# Altium PCB A-Eye.PcbDoc (continued)
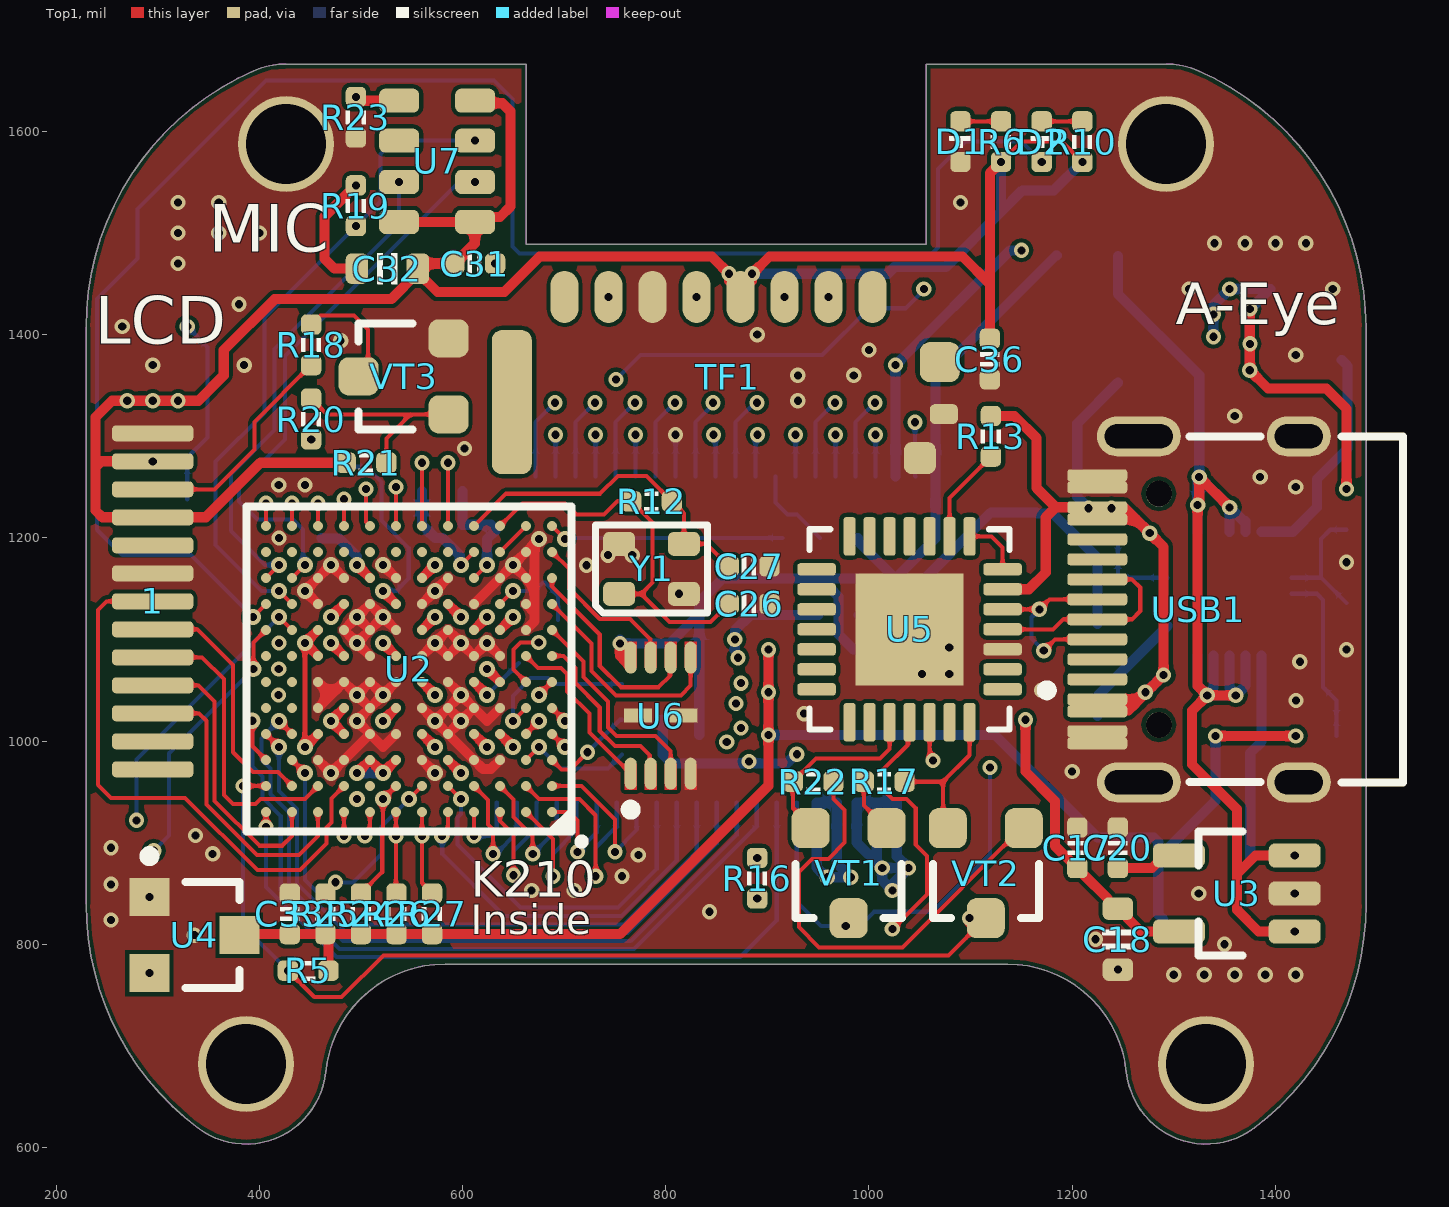
[diagram p0: Top1 view]
## Footprints (in the part's own frame and the unit in brackets; to place one, negate y for a bottom-side part, rotate by r counter-clockwise, add the part's x,y. Pads: shape width x height; smd on the part's side, far side on the other; paste and mask are expansions set on the pad) (continued)
  oct 0.8x0.24 smd: 1(-1.55,0.8) 2(-1.55,0.4) 3(-1.55,0) 4(-1.55,-0.4) 5(-1.55,-0.8) 11(1.55,-0.8) 12(1.55,-0.4) 13(1.55,0) 14(1.55,0.4) 15(1.55,0.8)
  oct 0.24x0.8 smd: 6(-0.8,-1.55) 7(-0.4,-1.55) 8(0,-1.55) 9(0.4,-1.55) 10(0.8,-1.55) 16(0.8,1.55) 17(0.4,1.55) 18(0,1.55) 19(-0.4,1.55) 20(-0.8,1.55)
  rect 1.5x1.5 smd: 21(0,0)
  silkscreen extent -2.48,-1.7 1.7,1.7, body extent -1.56,-1.56 1.56,1.56, height 0.8
QFN-28 [mil]
  rrect50% 38x12 smd mask+5: 1(-91.5,59.06) 2(-91.5,39.37) 3(-91.5,19.68) 4(-91.5,0) 5(-91.5,-19.69) 6(-91.5,-39.37) 7(-91.5,-59.06) 15(91.5,-59.06) 16(91.5,-39.37) 17(91.5,-19.69) 18(91.5,0) 19(91.5,19.68) 20(91.5,39.37) 21(91.5,59.06)
  rrect50% 12x38 smd mask+5: 8(-59.06,-91.5) 9(-39.37,-91.5) 10(-19.69,-91.5) 11(0,-91.5) 12(19.68,-91.5) 13(39.37,-91.5) 14(59.06,-91.5) 22(59.06,91.5) 23(39.37,91.5) 24(19.68,91.5) 25(0,91.5) 26(-19.69,91.5) 27(-39.37,91.5) 28(-59.06,91.5)
  rect 106.3x110.24 smd: 29(0,0)
  silkscreen extent -140,-99 99,99, body extent -99,-99 98,98, height 35
RES_0402 [mil]
  rrect50% 20x20 smd: 1(-20,0) 2(20,0)
  silkscreen extent -7,-10 7,10, body extent -20,-10 20,10, height 14
SMT_TRIODE_NPN [mm] "Surface mount NPN transistor, package SOT-23"
  rrect50% 0.95x1 smd: 1(-0.95,-1.125) 2(0.95,-1.125) 3(0,1.125)
  silkscreen extent -1.33,-0.22 1.32,1.13, body extent -1.45,-1.4 1.45,1.4, height 1.3
SOD-123 [mm]
  rrect50% 0.9x1.3 smd: 1(-1.583,0) 2(1.583,0)
  silkscreen extent -2.11,-0.89 2.11,0.89, body extent -1.92,-0.86 1.93,0.84, height 1.48
SOT23-3 [mm] "SOT-23; 3 Leads; Body 3.0 x 2.5 mm, inc. leads (LxW max)"
  rect 0.95x1 smd: 1(-0.95,-1.125) 2(0.95,-1.125) 3(0,1.125)
  silkscreen extent -2.1,-1.25 1.32,1.13, body extent -1.45,-1.4 1.45,1.4, height 1.3
SOT23-5 [mm] "SOT23, 3-Leads, Body 3.1x3.0mm (max), Pitch 0.95mm, IPC Medium Density"
  rrect50% 1.3x0.6 smd: 1(-1.5,0.95) 2(-1.5,0) 3(-1.5,-0.95) 4(1.396,-0.95) 5(1.396,0.95)
  silkscreen extent -0.2,-1.55 0.9,1.55, body extent -1.48,-1.45 1.32,1.45, height 1.2
"TF-SOCKET - short" [mm]
  oval 1.3x0.7 smd: 1(-3.231,3.518) 2(-3.231,2.418) 3(-3.231,1.318) 4(-3.231,0.218) 5(-3.231,-0.882) 6(-3.231,-1.982) 7(-3.231,-3.082) 8(-3.231,-4.182)
  rrect50% 0.8x0.8 smd: 9(0.8,4.7)
  rrect50% 0.5x0.7 smd: 10(-0.3,5.3)
  rrect50% 1x1 smd: ""(-1.6,5.2)
  rrect50% 3.6x1 smd: ""(-0.6,-5.5)
  body extent -4.51,-5.74 0.94,5.66, height 2.27
Type-C-TOP [mm]
  round 0.65 hole 0.65: 0(-0.98,-2.89) 0(-0.98,2.89)
  oval 1.6x1 hole 0.6 slot 1.2 at 0 deg: 1(2.52,4.325) 2(2.52,-4.325)
  oval 2.1x1 hole 0.6 slot 1.7 at 0 deg: 3(-1.48,-4.325) 4(-1.48,4.325)
  rrect50% 1.5x0.3 smd: A1(-2.52,-3.35) A4(-2.52,-2.55) A5(-2.52,-1.25) A6(-2.52,-0.25) A7(-2.52,0.25) A8(-2.52,1.25) A9(-2.52,2.55) A12(-2.52,3.35) B1(-2.52,3.05) B4(-2.52,2.25) B5(-2.52,1.75) B6(-2.52,0.75) B7(-2.52,-0.75) B8(-2.52,-1.75) B9(-2.52,-2.25) B12(-2.52,-3.05)
  silkscreen extent -0.22,-4.33 5.12,4.33, body extent -2.64,-4.48 5.26,4.46, height 3.28
USON-8N [mm]
  oval 0.8x0.3 smd paste+0 mask+0.102: 1(-1.45,0.75) 2(-1.45,0.25) 3(-1.45,-0.25) 4(-1.45,-0.75) 5(1.45,-0.75) 6(1.45,-0.25) 7(1.45,0.25) 8(1.45,0.75)
  rect 0.35x0.7 smd paste+0 mask+0.102: GNDA(0,0.57) GNDB(0,-0.57)
  Top1 region: 1.2,-0.6 1.2,-0.9 1.85,-0.9 1.85,-0.6
  Top1 region: 1.2,-0.1 1.2,-0.4 1.85,-0.4 1.85,-0.1
  Top1 region: 1.2,0.4 1.2,0.1 1.85,0.1 1.85,0.4
  Top1 region: 1.2,0.9 1.2,0.6 1.85,0.6 1.85,0.9
  Top1 region: -1.2,-0.9 -1.2,-0.6 -1.85,-0.6 -1.85,-0.9
  Top1 region: -1.2,-0.4 -1.2,-0.1 -1.85,-0.1 -1.85,-0.4
  Top1 region: -1.2,0.1 -1.2,0.4 -1.85,0.4 -1.85,0.1
  Top1 region: -1.2,0.6 -1.2,0.9 -1.85,0.9 -1.85,0.6
  silkscreen extent -2.47,0.63 -2.23,0.87, body extent -1.51,-1 1.51,1, height 0.6
晶振2520 [mm]
  rrect50% 0.8x0.6 smd: 1(-0.81,-0.625) 2(0.81,-0.625) 3(0.81,0.625) 4(-0.81,0.625)
  silkscreen extent -1.4,-1.1 1.4,1.1, body extent -1.3,-1.05 1.3,1.05, height 0.55

## Part data
1: "显示屏"
C1 C3 C15 C18 C23 C32: library part 电容-0603, "Capacitor"
C2 C4 C5 C6 C7 C8 C9 C10 C11 C12 C13 C14 C16 C17 C19 C20 C21 C22 C24 C25 C26 C27 C28 C29 C30 C31 C33 C34 C35 C36 C37 C38: library part 电容-0402, "Capacitor"
D1 D2: library part LED_0402, "LED", Type=0402
D3: library part 二极管-5, "40V"
J1 J2 J3: "Resistor", LatestRevisionDate=17-Jul-2002, LatestRevisionNote="Re-released for DXP Platform.", PackageDescription="Axial Device, Thru-Hole; 2 Leads; 0.4 in Pin Spacing", PackageReference=AXIAL-0.4, Published=8-Jun-2000, Publisher="Altium Limited"
J4: library part FPC24-0.5mm, "Header, 24-Pin", LatestRevisionDate=17-Jul-2002, LatestRevisionNote="Re-released for DXP Platform.", Publisher="Altium Limited"
J5: library part OV2640, "Header, 24-Pin", LatestRevisionDate=17-Jul-2002, LatestRevisionNote="Re-released for DXP Platform.", Publisher="Altium Limited"
K1: library part ButtonTACT, "Button", Type="TACT 4P"
L1 L2 L3: library part 电感-25, "磁珠"
R1 R2 R3 R4 R5 R6 R7 R8 R9 R10 R11 R12 R13 R14 R15 R16 R17 R18 R19 R20 R21 R22 R23 R24 R25 R26 R27 R28 R29 R30 R31: library part 电阻-0402, "Resistor"
TF1: library part TF卡?, "8脚自弹"
U1: "EA3036 is a 3CH power management IC for applications powered by one Li-Ion battery or a DC 5V adapter."
U2: "Canaan Kendryte K210 AI SoC", VENDOR="CANAAN INC."
U3: library part LP2992, "LDO"
U4: library part SGM803, "SGM803/SGM809/SGM810 / Microprocessor Supervisory / Circuit"
U5: "USBתTTL", MFG #1="SILICON LABS", PART DESC="SINGLE-CHIP USB TO UART BRIDGE, QFN28, RoHS.", PART NUMBER=CP2102, RefDes=RefDes, Type=DEV
U6: library part W25XXX, "Serial flash memory with 4kB sectors and dual I/O SPI"
USB1: library part USB-Type-C-TOP
VT1 VT2 VT3: library part SMT_TRIODE_NPN, "Surface mount NPN transistor, package SOT-23"
Y1: library part 晶振-4, "2520无源", Package="SMD-6 ECS International", Availability=Unavailable, MF="ECS International", MP=ECS-3225S30-240-EN-TR, Price="0.75 USD"

## Free pads (board coordinates)
  round 94.49 hole 78.74: ""(386.9,682.09) ""(426.27,1587.61) ""(1292.41,1587.61) ""(1331.78,682.09)

## Via types
v1: diameter 15, hole 8, Top1 to Bottom4, tented both sides, 192 vias
v2: diameter 16, hole 8, Top1 to Bottom4, tented both sides, 67 vias

## Nets (pads, with @x,y where several pads share a name; then routed paths per layer and width w, separated by ;. In a path a pad name is that pad's centre, name@x,y a point inside that pad or via, vN(x,y) a via of type N, cw(c..) or ccw(c..) an arc to the next point about the centre after c; other vN are vias at no path point)
AGND: C34.1 C37.1 C38.1 J5.2 R30.1 | length 511.8
  Bottom4 w10: C37.1 989,1197 1026,1160 ; C38.1 R30.1 1026,1160 ; C34.1@1185,1478 1184,1478 1065.53,1359.53 J5.2 1065.53,1199.53 1026,1160
BOOT: R5.1 U2.B12 VT2.3 | length 945.9
  Top1 w4: v1(384,955.87) U2.B12 ; v1(428,774) 454,748 481,748 522,789 1078.29,789 1099,809.71 v1(1099,825.71)
  Bottom4 w4: v1(384,955.87) 384,818 v1(428,774)
CP_Rx: U2.H12 U5.25 | length 1291.3
  Top1 w4: v2(394,1071) 394,1096.95 U2.H12 ; v1(1023,815) 1057,849 1057,887 1046,898 1046,934 1037,943 1023,943 1015,951 1015,973 1038.39,996.39 1038.39,1016.89 U5.25
  Signal3 w4: v1(296,892) 373,815 920,815 939,834 1004,834 v1(1023,815)
  Bottom4 w4: v1(296,892) 311,907 311,988 v2(394,1071)
CP_Tx: R16.1 U2.H11 | length 952.4
  Top1 w4: v2(419.25,1122.21) U2.H11
  Signal3 w4: v1(279,922) 289,912 302,912 389,825 806,825 866,885 v1(890,885)
  Bottom4 w4: v1(279,922) 279,981.95 v2(419.25,1122.21)
DTR: R17.1 U5.28 VT2.2 | length 154.9
  Top1 w4: R17.1 1073,960 ; VT2.2 1073,918.89 1073,960 ; U5.28 1099.06,986.06 1073,960
DVP_HSYNC: J5.9 U2.F1 | length 420.8
  Top1 w4: v2(675.16,1045.43) U2.F1
  Signal3 w4: v2(675.16,1045.43) 677.06,1045.43 927.73,1296.1 v1(927.73,1301.51)
  Bottom4 w4: J5.9 v1(927.73,1301.51)
DVP_PCLK: C35.1 J5.17 U2.E2 | length 701.2
  Top1 w4: v2(649.57,1019.84) U2.E2
  Signal3 w4: v2@649,1020.41 v2(649.57,1019.84) 649.57,1044.57 694,1089 709.31,1089 845,1224.69 845,1240 869,1264 869,1311 862,1318 786.74,1318 v1(770.25,1301.51)
  Bottom4 w4: v2(649.57,1019.84) 649.57,1044.57 667,1062 684,1062 690,1056 C35.1 ; J5.17 v1(770.25,1301.51)
DVP_PWDN: J5.8 U2.D2 | length 568.5
  Top1 w4: U2.D2 v2(675.16,1019.84)
  Signal3 w4: v2(675.16,1019.84) 693.31,1038 738.06,1038 778,1077.94 778,1134 915,1271 932,1271 946,1285 946,1312.41 v1(966.59,1333)
  Bottom4 w4: J5.8 947.42,1313.83 v1(966.59,1333)
DVP_RST: J5.6 U2.D1 | length 573.1
  Top1 w4: U2.D1 v2(700.75,994.25)
  Signal3 w4: v2(700.75,994.25) 702.25,994.25 716,1008 730.69,1008 795,1072.31 795,1083.53 986,1274.53 986,1313.04 v1(1005.96,1333)
  Bottom4 w4: J5.6 986.79,1313.83 v1(1005.96,1333)
DVP_SCL: J5.5 R29.1 U2.C1 | length 564.1
  Top1 w4: U2.C1 697.41,972 706,972 v1(723,989)
  Signal3 w4: v1(723,989) 803,1069 803,1080.22 1006.47,1283.69 v1(1006.47,1301.51)
  Bottom4 w4: v1(723,989) 755,1021 R29.1 ; J5.5 v1(1006.47,1301.51)
DVP_SDA: J5.3 R31.1 U2.C2 | length 708.5
  Top1 w4: U2.C2 v2(675.16,994.25)
  Signal3 w4: v2(675.16,994.25) 699.41,970 732,970 811,1049 811,1076.9 1045.33,1311.23 v1(1045.33,1313.83)
  Bottom4 w4: v2(675.16,994.25) 696.41,973 743,973 R31.1 ; v1(1045.33,1313.83) 1045.33,1261.1 J5.3
DVP_VSYNC: J5.7 U2.E1 | length 468.9
  Top1 w4: U2.E1 v2(700.75,1019.84)
  Signal3 w4: v2(700.75,1019.84) 731.21,1019.84 787,1075.63 787,1086.84 967.1,1266.94 v1(967.1,1301.51)
  Bottom4 w4: J5.7 v1(967.1,1301.51)
DVP_XCLK: J5.13 U2.F2 | length 400.5
  Top1 w4: U2.F2 650,1070.59 650,1090 657,1097 v1(675,1097)
  Signal3 w4: v1(675,1097) 706,1097 823,1214 823,1275.52 v1@848.99,1301.51
  Bottom4 w4: J5.13 v1@848.99,1301.51
  other v1: 846.99,1301.51
DVP_Y2: J5.19 U2.M12 | length 441.2
  Top1 w4: U2.M12 v1(406.46,1234)
  Signal3 w4: v1(406.46,1234) 437.46,1203 619,1203 717.51,1301.51 v1(730.88,1301.51)
  Bottom4 w4: J5.19 v1(730.88,1301.51)
DVP_Y3: J5.21 U2.M11 | length 370
  Top1 w4: U2.M11 v1(432.05,1234)
  Signal3 w4: v1(432.05,1234) 455.05,1211 601.63,1211 691.51,1300.88 v1(691.51,1301.51)
  Bottom4 w4: J5.21 v1(691.51,1301.51)
DVP_Y4: J5.22 U2.M10 | length 414.8
  Top1 w4: U2.M10 v1(457.64,1234)
  Signal3 w4: v1(457.64,1234) 472.64,1219 598.31,1219 648.51,1269.19 648.51,1312.51 669,1333 v1(691,1333)
  Bottom4 w4: J5.22 671.83,1313.83 v1(691,1333)
DVP_Y5: J5.20 U2.M9 | length 463.4
  Top1 w4: U2.M9 v1(483.23,1238)
  Signal3 w4: v1@483.23,1237.77 v1(483.23,1238) 494.23,1227 595,1227 640.51,1272.51 640.51,1318.51 685,1363 716,1363 730.37,1348.63 v1(730.37,1333)
  Bottom4 w4: J5.20 711.2,1313.83 v1(730.37,1333)
DVP_Y6: J5.18 U2.M8 | length 519.2
  Top1 w4: v1@504.82,1243 504.82,1215.77 U2.M8
  Signal3 w4: v1(504.82,1248) 517.82,1235 591.69,1235 632.51,1275.82 632.51,1324.51 683,1375 768.26,1375 779.37,1363.89 779.37,1342.63 v1(769.74,1333)
  Bottom4 w4: J5.18 750.57,1313.83 v1(769.74,1333)
DVP_Y7: J5.16 U2.M7 | length 515.3
  Top1 w4: U2.M7 v1@534.41,1248
  Signal3 w4: v1@534.41,1248 587.65,1248 624.51,1284.86 624.51,1327.82 679.69,1383 797,1383 809.11,1370.89 v1(809.11,1333)
  Bottom4 w4: J5.16 789.94,1313.83 v1(809.11,1333)
  other v1: 534.41,1250
DVP_Y8: J5.14 U2.M6 | length 515.2
  Top1 w4: U2.M6 v1(560,1274)
  Signal3 w4: v1@561,1274 561,1275.63 676.37,1391 800.31,1391 846.48,1344.83 v1@846.48,1335 ; v1@843.69,1337.79 v1@846.48,1335 ; v1(846.48,1333) v1@846.48,1335 ; v1@848.48,1333 v1@846.48,1335
  Bottom4 w4: J5.14 829.31,1313.83 v1@848.48,1333
DVP_Y9: J5.12 U2.M5 | length 638.7
  Top1 w4: U2.M5 v1(585.59,1274)
  Signal3 w4: v1(585.59,1274) 570.59,1259 551,1259 540,1270 540,1289 650,1399 821.85,1399 v1@887.85,1333
  Bottom4 w4: J5.12 868.68,1313.83 v1@887.85,1333
  other v1: 889.85,1333
GND: 1.8 1.13 C1.1 C2.2 C3.1 C4.1 C5.1 C6.1 C7.1 C8.1 C9.1 C10.1 C11.1 C12.1 C13.1 C14.1 C15.1 C16.2 C17.1 C18.1 C19.2 C20.1 C21.2 C22.2 C23.1 C24.2 C25.2 C26.2 C27.2 C30.2 C33.2 C35.2 C36.2 D1.2 J4.22 J4.23 J4.24 J5.15 K1.1 K1.3 pad. R2.1 R4.1 R9.1 R15.1 R23.2 R30.2 TF1.6 TF1.9 TF1.10 U1.1 U1.4 U1.5 U1.12 U1.13 U1.15 U1.17 U1.21 U2.C3 U2.C4 U2.C6 U2.C9 U2.C10 U2.D5 U2.D7 U2.D8 U2.E3 U2.E4 U2.E5 U2.E6 U2.E8 U2.E10 U2.F5 U2.F7 U2.F8 U2.F9 U2.F10 U2.G3 U2.G4 U2.G5 U2.G6 U2.G8 U2.H2 U2.H5 U2.H7 U2.H8 U2.H9 U2.J2 U2.J4 U2.J6 U2.J8 U2.J10 U2.K2 U2.K3 U2.K5 U2.K7 U2.K9 U2.K10 U2.L2 U3.2 U4.1 U5.3 U5.29 U6.4 U6.GNDA U6.GNDB USB1.1 USB1.2 USB1.3 USB1.4 USB1.A1 USB1.A12 USB1.B1 USB1.B12 VT3.2 Y1.2 Y1.4 | length 1297
  Top1 w9.84: U2.C10 v2(470.43,968.66) U2.C9 496.02,994.25 U2.D8 ; U2.E10 470.43,1045.43 ; U2.F10 470.43,1045.43 ; U2.J10 v2(444.84,1147.8) U2.K10 v2(470.43,1173.39) U2.K9 ; U2.G8 v2(496.02,1096.61) ; v2(521.61,1173.39) U2.K7 ; U2.D7 521.61,994.25 U2.D8 ; U2.F7 v2(521.61,1045.43) ; U2.H7 v2(521.61,1122.21) ; U2.C6 v2(572.8,968.66) ; U2.E6 v2(572.8,1019.84) ; U2.G6 v2(572.8,1096.61) ; U2.J6 v2(572.8,1147.8) U2.K5 ; U2.F5 v2(598.39,1045.43) ; U2.J4 U2.K3 v2(649.57,1173.39) ; U2.C3 628.05,972.74 619.9,972.74 U2.C4 U2.D5 ; U2.E3 623.98,1019.84 U2.E4 ; U2.G3 623.98,1096.61 U2.G4 v2(598.39,1096.61) ; U2.H2 662.36,1109.57 671,1118.21 671,1126.36 ; U2.J2@662.36,1134.84 U2.J2 671,1126.36 ; 470.43,1045.43 U2.F9 v2(496.02,1045.43) ; v2(496.02,1045.43) U2.E8 ; v2(496.02,1045.43) U2.F8 v2(521.61,1045.43) ; v2(496.02,1096.61) U2.H9 v2(496.02,1122.21) ; v2(496.02,1096.61) U2.H8 ; v2(496.02,1122.21) U2.J8 v2(521.61,1122.21) ; v2(496.02,1122.21) U2.H8 ; U2.D8 v2(496.02,1019.84) U2.E8 ; U2.E8 v2(521.61,1045.43) ; U2.H8 v2(521.61,1122.21) ; v2(572.8,1019.84) U2.E5 ; v2(572.8,1019.84) U2.D5 ; v2(572.8,1096.61) U2.H5 v2(598.39,1096.61) ; v2(572.8,1096.61) U2.G5 v2(598.39,1096.61) ; U2.D5 v2(598.39,1019.84) ; U2.E5 v2(598.39,1045.43) ; U2.E5 v2(598.39,1019.84) ; v2(598.39,1019.84) U2.E4 ; v2(598.39,1045.43) U2.E4 ; v2(649.57,1173.39) U2.L2 v2(675.16,1198.98) 675.16,1197.31 671,1193.15 671,1151.95 ; v2(649.57,1173.39) U2.K2 671,1151.95 ; 671,1126.36 671,1151.95
  Bottom4 w4: J5.15 v1(809.62,1301.51)
  other v1: 1300,770 1330,770 1360,770 1390,770 1420,770 1245,775 1350,800 1223,805 336,809 254,824 843,832 291.71,846.4 1324.57,850 1419.06,850 668,853 710,853 254,859 757,867 773,888 354,889 254,895 337,907 1200,970 936,1027 1420.31,1040 418.75,1045.39 1170,1050 1052,1066 1079,1066 419,1071 1424.06,1078.07 1470,1090 1079,1092 419.25,1096.61 813,1145 722,1173 1470,1176 743,1183 767,1183 419.25,1200 1420,1250 419,1252 445,1252 1385,1260 602,1288 1360,1320 930,1335 930,1360 985,1360 295,1370 385,1370 1420,1380 1000,1385 480,1394 890,1400 265,1408 380,1430 1315,1445 1456.5,1445 320,1470 1340,1490 1370,1490 1400,1490 1430,1490 320,1500 360,1500 400,1500 320,1530 360,1530 1090,1530
  other v2: 496.02,943.07 623.98,1096.61
IO_6: U2.G11
IO_7: U2.G12
IO_8: U2.F11
IO_9: U2.F12
IO_10: U2.E11
IO_11: U2.E12
IO_12: J4.13 U2.D11 | length 737.9
  Top1 w4: v2(419.25,1019.84) U2.D11
  Bottom4 w4: v2(419.25,1019.84) 402,1002.59 402,982 411,973 411,947.69 429,929.69 429,856.63 482.33,803.29 765.55,803.29 869.83,907.57 J4.13
IO_13: J4.12 U2.D12 | length 670
  Top1 w4: U2.D12 v2(419.25,994.25)
  Bottom4 w4: v2(419.25,994.25) 419.25,950.75 437,933 437,859.94 485.65,811.29 762.23,811.29 850.14,899.2 J4.12
IO_14: J4.11 U2.C11 | length 605.7
  Top1 w4: U2.C11 v2(444.84,968.66)
  Bottom4 w4: v2(444.84,968.66) 445,968.5 445,863.25 488.96,819.29 758.92,819.29 830.46,890.83 J4.11
IO_15: J4.14 U2.C12 | length 788.7
  Top1 w4: v2(393,1020) 393,994.91 U2.C12
  Bottom4 w4: v2(393,1020) 393,975 403,965 403,944.37 421,926.37 421,853.31 479.02,795.29 768.86,795.29 889.51,915.94 J4.14
IO_17: J4.15 U2.A12 | length 736.5
  Top1 w4: v1(406.46,915.46) U2.A12
  Bottom4 w4: v1(406.46,915.46) 406.46,856.54 475.71,787.29 873.29,787.29 909.2,823.2 J4.15
IO_18: 1.6 U2.B11 | length 251.3
  Top1 w4: 1.6 339,1110 374,1075 374,989 393.63,969.37 418.55,969.37 U2.B11
IO_19: 1.4 U2.A11 | length 287.5
  Top1 w4: 1.4 340.13,1054.88 356,1039.02 356,941 400,897 422.5,897 432.05,906.54 U2.A11
IO_20: 1.5 U2.B10 | length 296.6
  Top1 w4: 1.5 343.56,1082.44 365,1061 365,947 374,938 396,938 401,943 444.77,943 U2.B10
IO_21: 1.3 U2.A10 | length 300
  Top1 w4: 1.3 340.68,1027.32 348,1020 348,937.69 397.69,888 439.09,888 457.64,906.54 U2.A10
IO_22: 1.7 U2.B9 | length 564.1
  Top1 w4: 1.7 249.56,1137.56 241,1129 241,957 254,944 327,944 398,873 440,873 466,899 466,915 471,920 471,943.64 U2.B9
IO_23: R20.2 U2.A9 | length 555.5
  Top1 w4: v1(483.23,906.54) U2.A9
  Signal3 w4: v1@452,1297 v1(451,1297) 405,1297 348,1240 348,1016.62 458.08,906.54 v1(483.23,906.54)
IO_24: U2.B8
IO_25: U2.A8 | length 25.8
  Top1 w4: v1(503.82,906.54) 508.82,911.54 U2.A8
IO_26: R24.1 TF1.2 U2.B7 | length 1211.4
  Top1 w4: R24.1 520.91,870.91 520.91,912.14 521.61,912.84 v2(521.61,943.07) U2.B7
  Signal3 w4: v2(521.61,943.07) 507.54,929 458.25,929 364,1023.25 364,1230 405,1271 483,1271 619,1407 863.21,1407 876.21,1420 925,1420 942.21,1437.21 v1(960.2,1437.21)
IO_27: R26.1 TF1.5 U2.A7 | length 1196.4
  Top1 w4: U2.A7 v1(534.41,906.54) 534.41,850.59 R26.1
  Signal3 w4: v1(534.41,906.54) 515.87,888 402.31,888 340,950.31 340,1285 478,1423 770,1423 784.21,1437.21 v1(830.28,1437.21)
IO_28: R25.1 TF1.3 U2.B6 | length 1256.9
  Top1 w4: R25.1 v1@475.5,860.5 ; v2(547.2,943.07) U2.B6
  Signal3 w4: v2(547.2,943.07) 525.13,921 454.94,921 356,1019.94 356,1236.69 398.31,1279 474,1279 610,1415 849,1415 871.21,1437.21 v1(916.9,1437.21)
  Bottom4 w4: v1(475,861) 492,861 520,889 520,915.87 v2(547.2,943.07)
IO_29: R27.1 TF1.7 U2.A6 | length 1165.8
  Top1 w4: U2.A6 v1(560,906.54) 560,860.34 570,850.34 R27.1
  Signal3 w4: v1(560,906.54) 533.46,880 399,880 332,947 332,1288.31 479.19,1435.5 741.96,1435.5 v1(743.67,1437.21)
IO_30: J4.9 U2.B5 | length 367.7
  Top1 w4: U2.B5 v2(598.39,943.07)
  Bottom4 w4: v2(598.39,943.07) 598.39,928.39 595,925 595,898 657,836 753,836 791.09,874.09 J4.9
IO_31: J4.10 U2.A5 | length 377.3
  Top1 w4: v1@585.59,906.54 U2.A5
  Bottom4 w4: v1(579.59,906.54) 580,906.13 580,889 641,828 756.31,828 810.77,882.46 J4.10
IO_32: J4.2 U2.B4 | length 136.8
  Top1 w4: U2.B4 625,942.05 625,918 630,913 v1(630,889)
  Bottom4 w4: v1(630,889) 633,889 653.29,909.29 J4.2
IO_33: J4.1 U2.A4 | length 75.2
  Top1 w4: v1(611.18,906.54) U2.A4
  Bottom4 w4: v1(611.18,906.54) 626.54,906.54 633.61,913.61 J4.1
IO_34: J4.4 U2.B3 | length 140.7
  Top1 w4: U2.B3 650,942.64 650,925.36 669,906.36 v1(669,889)
  Bottom4 w4: v1(669,889) 692.66,912.66 J4.4
IO_35: J4.3 U2.A3 | length 149
  Top1 w4: U2.A3 636.77,921.23 650,908 v1(650,868)
  Bottom4 w4: v1(650,868) 650,892 672.57,914.57 672.57,939.3 J4.3
IO_36: J4.5 U2.A2 | length 156.7
  Top1 w4: U2.A2 689,903.64 v1(689,867)
  Bottom4 w4: v1(689,867) 689,889 712.26,912.26 712.26,939.62 J4.5
IO_37: J4.6 U2.A1 | length 116.1
  Top1 w4: U2.A1 704.72,930.28 713,922 v1(713,891)
  Bottom4 w4: v1(713,891) 732.03,910.03 J4.6
IO_38: J4.7 U2.B2 | length 221.9
  Top1 w4: U2.B2 675.23,943 715,943 731,927 v1(731,867)
  Bottom4 w4: v1(731,867) 731,895 751.72,915.72 J4.7
IO_39: J4.8 U2.B1 | length 165.2
  Top1 w4: U2.B1 717.13,955.87 750,923 v1(750,891)
  Bottom4 w4: v1(750,891) 771.29,912.29 771.29,939.59 J4.8
LEDK: 1.11 R18.2 | length 222.4
  Top1 w4: 1.11 355.8,1247.8 395,1287 395,1314 R18.2
MIC_AGND: C31.1 C32.2 R19.2 R23.1 U7.1 | length 421
  Top1 w10: v1(495,1547) 464,1516 464,1475 474,1465 C32.2 ; v1(495,1634) 498.69,1630.32 U7.1
  Signal3 w10: v1(495,1634) v1(495,1547) 572,1470 v1(632,1470)
MIC_DATA0: R19.1 U2.J11 U7.7 | length 650.1
  Top1 w4: v2(419.25,1147.8) U2.J11
  Bottom4 w4: v2(419.25,1147.8) 402,1147.8 357,1192.8 357,1275 405,1323 405,1417 v1(495,1507) 519,1531 519,1578 531.94,1590.94 v1(612.4,1590.94)
MIC_SCLK0: U2.K11 U7.6 | length 548.1
  Top1 w4: U2.K11 v2(444.84,1173.39)
  Bottom4 w4: v2(444.84,1173.39) 442.84,1175.39 442.84,1208.16 433,1218 398,1218 380,1236 380,1252 425,1297 425,1379 596.32,1550.32 v1(612.4,1550.32)
MIC_WS0: U2.K12 U7.3 | length 491.2
  Top1 w4: U2.K12 v2(419.25,1173.39)
  Bottom4 w4: v2(419.25,1173.39) 405.61,1173.39 372,1207 372,1263 415,1306 415,1386 537.6,1508.6 v1(537.6,1550.32)
NetC20_2: C20.2 U3.4 | length 65.2
  Top1 w10: C20.2 1278.61,875 1291.01,887.4 U3.4
NetC25_1: C25.1 R8.2 U2.J3 | length 95.3
  Top1 w4: U2.J3 v2(649.57,1147.8)
  Bottom4 w4: v2(649.57,1147.8) 671.17,1147.8 679.38,1156 C25.1 694,1143 R8.2
NetC26_1: C26.1 R12.2 U2.M3 Y1.1 | length 377.9
  Top1 w4: U2.M3 659,1234 701,1234 712,1223 739,1223 752,1236 R12.2 786.98,1215.02 786.98,1155.98 775.84,1144.84 ; Y1.1@755.92,1144.84 775.84,1144.84 ; C26.1 844,1117 803.69,1117 775.84,1144.84
NetC27_1: C27.1 R12.1 U2.M4 Y1.3 | length 325.7
  Top1 w4: U2.M4 642.87,1243.46 735.46,1243.46 753,1261 781,1261 R12.1 817.87,1224.13 Y1.3 839.94,1194.06 C27.1
NetC28_1: C28.1 C29.1 R15.2 U2.K4 | length 124.5
  Top1 w4: U2.K4 v2(623.98,1173.39)
  Bottom4 w10: C28.1 C29.1 628,1213 R15.2 623.98,1198.98 v2(623.98,1173.39)
NetC28_2: C28.2 C29.2 R14.1 U2.L4 | length 110.7
  Top1 w4: v2(598.39,1173.39) U2.L4
  Bottom4 w10: C28.2 C29.2 573,1200 580,1200 597.24,1182.76 597.24,1174.53 v2(598.39,1173.39)
NetD1_1: D1.1 R6.2 | length 40
  Top1 w4: D1.1 R6.2
NetD2_1: D2.1 R10.2 | length 40
  Top1 w4: D2.1 R10.2
NetJ5_10: J5.10 R28.1 | length 84.1
  Bottom4 w4: J5.10 908.05,1234.95 920,1223 929,1223 R28.1
NetL1_1: L1.1 U1.11 | length 117.4
  Bottom4 w10: L1.1 1225,1044.53 U1.11
NetL2_1: L2.1 U1.6 | length 203.6
  Bottom4 w10: L2.1 1375.28,988.28 1386.5,999.5 U1.6
NetL3_1: L3.1 U1.20 | length 224.2
  Bottom4 w10: U1.20 1417.02,1206.02 1441,1230 1441,1258 1471,1288 1471,1369.28 L3.1
NetR1_1: R1.1 R2.2 U1.14 | length 89.3
  Bottom4 w4: R1.1 R2.2 1245.75,1160.75 U1.14
NetR3_1: R3.1 R4.2 U1.3 | length 172.8
  Bottom4 w4: U1.3 1441,1145 1447,1139 1447,1053 R4.2 R3.1
NetR7_1: R7.1 R9.2 U1.2 | length 131.1
  Bottom4 w4: U1.2 1445,1160.75 ; R9.2 1445,1161 1445,1199 1454,1208 R7.1
NetR13_2: R13.2 U5.9 | length 95.3
  Top1 w4: U5.9 1079.37,1239.37 R13.2
NetR16_2: R16.2 U5.26 | length 308.4
  Top1 w4: U5.26 1059.69,984.32 v1@1061,983
  Signal3 w4: v1(890,845) 992,845 1000,853 1000,868.91 994,874.91 994,912 v1(1063,981)
NetR17_2: R17.2 VT1.1 | length 55
  Top1 w4: R17.2 995,936.69 VT1.1
NetR18_1: R18.1 VT3.3 | length 115.4
  Top1 w4: R18.1 460,1419 493,1419 507,1405 507,1368.29 VT3.3
NetR20_1: R20.1 R21.1 VT3.1 | length 199
  Top1 w4: R20.1 466.4,1321.6 548.6,1321.6 ; R21.1 525,1298 548.6,1321.6 ; VT3.1 548.6,1321.6
NetR22_2: R22.2 VT2.1 | length 453.8
  Top1 w4: R22.2 965,943 976,932 976,900 960,884 944,884 931,871 931,817 951,797 1033,797 1150.29,914.29 VT2.1
NetU2_G1: U2.G1 U6.2 | length 177.4
  Top1 w4: U2.G1 699.18,1083.82 711,1072 711,1057 735,1033 735,1010 750,995 775,995 784.28,985.72 784.28,968.79 U6.2
NetU2_G2: U2.G2 U6.1 | length 172
  Top1 w4: U2.G2 674.18,1072 697,1072 703,1066 703,1049 725,1027 725,1008.39 U6.1
NetU2_H1: U2.H1 U6.3 | length 212.6
  Top1 w4: U2.H1 719,1078.36 719,1063 743,1039 743,1013.31 751.31,1005 790,1005 804.84,990.16 U6.3
NetU2_J1: U2.J1 U6.5 | length 221.1
  Top1 w4: U2.J1 727,1095.95 727,1069 751,1045 815,1045 824.53,1054.53 U6.5
NetU2_K1: U2.K1 U6.6 | length 206.8
  Top1 w4: U2.K1 687.95,1152.05 735,1105 735,1074 756,1053 793,1053 804.12,1064.12 804.12,1081.37 U6.6
NetU2_L1: U2.L1 U6.7 | length 161.9
  Top1 w4: U2.L1 705,1169.13 705,1150 735,1120 765,1120 784.7,1100.3 784.7,1082.55 U6.7
NetU2_L3: U2.L3 U2.M2 | length 36.2
  Top1 w4: U2.L3 U2.M2
NetU5_7: U5.7 U5.8 | length 58.4
  Top1 w4: U5.8 1120.5,1201.5 1131.5,1190.5 U5.7
RESETN: J4.16 K1.2 K1.4 R11.1 U2.M1 U4.2 VT1.3 | length 3344
  Top1 w4: U2.M1 v2(700.75,1198.98)
  Signal3 w4: v1(291.71,771.6) 378.4,771.6 401,749 465,749 516,800 959.15,800 v1(977.15,818) ; v1(329,1408) 371,1450 679,1450 708,1479 1023,1479 1119,1383 v1(1119,974) ; v2(700.75,1198.98) 751,1249.23 v1(751,1356)
  Bottom4 w4: K1.4 329,1279 349,1299 349,1388 v1(329,1408) ; v2@701.77,1200 R11.1 ; v1(751,1356) 775,1380 954,1380 1000,1426 1036,1426 1052,1442 v1@1052,1450 ; J4.16 928.88,842.12 953,818 v1(977.15,818) 991,818 1005,832 1062,832 1119,889 v1(1119,974)
  other v1: 1054,1445
RTS: R22.1 U5.24 VT1.2 | length 187.9
  Top1 w4: VT1.2 942.6,916.72 925,934.32 R22.1 948,983 1011,983 1020.32,992.32 U5.24
SPI0_D0: U2.L12
SPI0_D1: U2.L11
SPI0_D2: U2.L10
SPI0_D3: U2.L9
SPI0_D4: U2.L8
SPI0_D5: U2.L7
SPI0_D6: U2.L6
SPI0_D7: U2.L5
USB-PWR-DM: U5.5 USB1.A7 USB1.B7 | length 203.4
  Top1 w4: U5.5 v1(1167.69,1129.69) 1177.53,1139.53 USB1.A7 ; v1(1172,1089) 1183.16,1100.16 USB1.B7
  Bottom4 w4: v1(1167.69,1129.69) 1160,1122 1160,1101 v1(1172,1089)
USB-PWR-DP: U5.4 USB1.A6 USB1.B6 | length 211.7
  Top1 w4: U5.4 1181,1110 1190.84,1119.84 USB1.A6 1258.84,1119.84 1267,1128 1267,1151 1258.79,1159.21 USB1.B6
USR_LED: D2.2 U2.J12 | length 1736.1
  Top1 w4: v2(393.66,1122.2) U2.J12
  Bottom4 w4: v2(393.66,1122.2) 332.86,1183 265,1183 240,1208 240,1435 280,1475 280,1523.6 406.4,1650 631,1650 649,1632 649,1487 656,1480 1062,1480 1068,1486 1068,1563 1095,1590 1150,1590 v1(1170,1570)
VCC_0V9: C4.2 C5.2 C6.2 C7.2 C8.2 C9.2 C10.2 C11.2 C23.2 C24.1 L3.2 R7.2 R14.2 U2.D4 U2.D6 U2.D9 U2.E7 U2.E9 U2.F4 U2.F6 U2.G7 U2.G9 U2.H4 U2.H6 U2.J5 U2.J7 U2.J9 | length 3326.5
  Top1 w10: v2(470.43,1096.61) U2.G9 ; v2(470.43,1122.2) U2.J9 ; U2.D9 v2(470.43,1019.84) U2.E9 ; v2(521.61,1019.84) U2.E7 ; v2(521.61,1096.61) U2.G7 ; v2(521.61,1147.8) U2.J7 ; U2.D6 v2(572.8,994.25) ; U2.F6 v2(572.8,1045.43) ; U2.H6 v2(572.8,1122.21) ; U2.J5 v2(598.39,1122.21) ; U2.D4 v2(623.98,994.25) ; U2.F4 v2(623.98,1045.43) ; U2.H4 v2(623.98,1122.21) ; v1(1374.72,1425.28) v1(1374.72,1365) 1392.72,1347 1450,1347 1470,1327 v1(1470,1248)
  Signal3 w10: v2(623.98,994.25) v2(572.8,994.25) 547.21,1019.84 ; v2(623.98,1045.43) 604.41,1065 592.36,1065 v2(572.8,1045.43) ; v2(623.98,1122.21) v2(572.8,1122.21) 572.33,1121.74 546.74,1121.74 ; 470.43,1045.43 v2(470.43,1096.61) v2(470.43,1122.2) 470.43,1136.43 481.8,1147.8 v2(521.61,1147.8) 546.74,1122.67 546.74,1121.74 ; 470.43,1045.43 v2(521.61,1096.61) ; 470.43,1045.43 v2(470.43,1019.84) 487.43,1002.84 504.61,1002.84 v2(521.61,1019.84) 547.21,1019.84 ; v2(521.61,1096.61) 546.74,1121.74 ; v2(521.61,1096.61) v2(572.8,1045.43) ; 547.21,1019.84 v2(572.8,1045.43)
  Gnd2 w10: v2(470.43,1019.84) 471.84,1019.84 488.84,1002.84 503.06,1002.84 520.06,1019.84 v2(521.61,1019.84) ; v2(470.43,1096.61) v2(470.43,1122.2) 470.43,1136 482.23,1147.8 v2(521.61,1147.8) 547.2,1122.21 ; v2(521.61,1096.61) 547.2,1122.21 ; v2(623.98,994.25) v2(572.8,994.25) 547.2,994.25 v2(521.61,1019.84) ; v1(1355,1445) 1339,1429 v1(1339,1420) v1(1339,1398) 1339,1395 1329,1385 1240,1385 1216.5,1408.5 934.5,1408.5 867,1341 867,1264 879.75,1251.25 879.75,1155.75 780,1056 739,1056 723.54,1071.46 650,1071.46 ; v2(521.61,1019.84) 547.2,1045.43 v2(572.8,1045.43) 594.24,1066.88 602.53,1066.88 v2(623.98,1045.43) 650,1071.46 ; 547.2,1122.21 v2(572.8,1122.21) v2(623.98,1122.21) 650,1096.18 650,1071.46
  Bottom4 w4: C5.2 504.82,1270 520,1254.82 520,1217 547,1190 547,1160 534.8,1147.8 527.2,1147.8 C11.2 ; v2(623.98,1045.43) C10.2@655.27,1076.73
  Bottom4 w10: v1(1339,1398) v1(1339,1420) 1339,1429 v1(1355,1445) 1395,1445 1375.28,1425.28 v1(1374.72,1425.28) L3.2
  other v1: 1375,1391
VCC_1V8: C1.2 C2.1 C12.2 C13.2 C14.2 C30.1 C37.2 J1.3 J2.3 J3.3 L1.2 R1.2 R8.1 R11.2 R28.2 U2.H3 U2.K6 U2.K8 U6.8 | length 1307
  Top1 w10: v2(496.02,1173.39) U2.K8 ; U2.K6 v2(572.8,1173.39) ; U2.H3 v2(649.57,1122.21) ; v1(755,1096) 755,1084 U6.8@766,1073
  Signal3 w10: v2(496.02,1173.39) 513.02,1190.39 555.8,1190.39 v2(572.8,1173.39) 598.39,1147.8 623.98,1147.8 v2(649.57,1122.21)
  Gnd2 w10: v2(649.57,1122.21) 728.79,1122.21 v1(755,1096)
  Bottom4 w10: C12.2 461.73,1199.27 478.55,1199.27 C14.2 ; C30.1 759,1096 804,1096 833,1125 ; J1.3 J2.3 J3.3 833,1125 ; C37.2 R28.2 ; L1.2 1225,1180 R1.2 1181,1224 1166,1224 C1.2 C2.1 1045,1150 1045,1105 1030,1090 985,1090 970,1105 970,1142 R28.2 ; 833,1125 833,1137 856,1160 R11.2 R28.2
VCC_2V5: C17.2 C18.2 C34.2 J5.4 U3.5 | length 1048.7
  Top1 w10: v1(1154,1021) 1154,970 1183,941 1183,897 C17.2 1210,870 1235.31,844.69 1235.31,840.96 1241.27,835 C18.2 1248.73,835 1254.69,829.04 1254.69,825.31 1267.4,812.6 U3.5
  Signal3 w10: v1(1150,1483) 1141,1474 1141,1034 v1(1154,1021)
  Bottom4 w10: J5.4 v1(1026.16,1370.16) 1139,1483 v1(1150,1483)
VCC_3V3: 1.10 1.12 C15.2 C16.1 C31.2 C32.1 C33.1 C36.1 J1.1 J2.1 J3.1 J4.17 J4.18 L2.2 R3.2 R5.2 R6.1 R10.1 R21.2 R24.2 R25.2 R26.2 R27.2 TF1.4 U4.3 U7.4 U7.5 U7.8 | length 5110.8
  Top1 w4: v1(1130,1570) 1150,1590 1190,1590 v1(1210,1570)
  Top1 w10: v1(295,1275.35) 244.52,1275.35 238.67,1269.5 ; U4.3 381.29,810 C33.1 R25.2 R24.2 R26.2 R27.2 755,810 901,956 v1(901,1006) v1(901,1048) v1(901,1090) ; R5.2 R25.2@468,807 ; R21.2 401,1274 347.24,1220.24 1.10 245.43,1220.24 238.67,1227 238.67,1269.5 ; U7.4 U7.5 ; U7.8 614.88,1627.83 639.17,1627.83 647,1620 647,1526 636.8,1515.8 617.25,1515.8 U7.5 ; TF1.4@862.21,1453 v1(862.21,1460) 845.21,1477 676,1477 641,1442 575.27,1442 C32.1@556,1461.27 ; TF1.4@885,1453 v1(885,1460) 902,1477 1092,1477 1119,1450 ; C36.1 1119,1450 ; v1(1130,1570) 1119,1559 1119,1450 ; v1(1341,1005) v1(1420,1005) ; 238.67,1269.5 238.67,1318.67 255,1335 v1(270,1335) v1(295,1335) v1(320,1335) 340,1335 365,1360 365,1385 415,1435 529.73,1435 C32.1@556,1461.27 ; C32.1@556,1461.27 C32.1 561,1470 C31.2 611.99,1489.99 611.99,1510.54 U7.5
  Signal3 w10: v1(862.21,1460) v1(885,1460) 1010,1460 1079,1391 1079,1281 901,1103 v1(901,1090) v1(901,1048) v1(901,1006) 901,922 958,865 v1@985,865
  Bottom4 w10: v1(885,1460) 1018.44,1460 1024.94,1466.5 1075.5,1466.5 1130,1521 ; v1(901,1090) v1(901,1048) v1(901,1006) 1124,1006 1225,905 C16.1 1280.47,905 1284.72,900.75 L2.2 ; v1(1130,1570) 1130,1521 ; v1(1210,1570) 1182,1542 1151,1542 1130,1521 ; C15.2 1290,824 1284.72,829.28 L2.2 ; v1(1341,1005) 1341,941.28 L2.2 ; 948.57,875.43 958,866 v1(959,866) v1(982,866) 968.25,879.75 J4.18 J4.17 948.57,875.43
VCC_BANK_012: C19.1 J1.2 U2.D10 U2.G10 U2.H10 | length 823
  Top1 w5: v2(444.84,994.25) v2(444.84,1096.61)
  Top1 w9.84: U2.G10 v2(444.84,1096.61) U2.H10
  Top1 w10: v2(444.84,994.25) U2.D10
  Signal3 w10: v2(444.84,1096.61) v2(444.84,994.25) 452.09,987 537,987 547,977 547,969 571,945 571,941 586,926 633,926 643,916 841,916 859,934 v1@859,996 ; v1(860,999) v1(874,1013)
  Gnd2 w10: v1(860,999) v1(874,1013) ; v1@873.04,1011.04 v1@874,1012
VCC_BANK_67: C22.1 C38.2 J3.2 J5.11 R29.2 R31.2 U2.D3 U2.F3 | length 1291.9
  Top1 w10: v2(623.98,1071.02) U2.F3 ; U2.D3 v2(649.57,994.25)
  Signal3 w5: v2(623.98,1071.02) 640,1055 640,1036 625.98,1021.98 625.98,1017.84 v2(649.57,994.25)
  Signal3 w10: v2(649.57,994.25) 649.57,966.43 669,947 800,947 819,966 819,1030 v1(871,1082) 870.81,1082.19 870.81,1095.81 867.98,1098.63 v1(867.98,1099.98)
  Gnd2 w10: v1(890.36,1301.51) 890.36,1267.64 905,1253 905,1137 v1(867.98,1099.98) 868.18,1099.79 868.18,1086.18 871,1083.35 v1(871,1082) 832,1043 832,988 849,971 873,971 v1(882,980) 920.65,980 927.65,987 v1(929,987)
  Bottom4 w4: J5.11 v1@888.36,1301.51
  Bottom4 w10: R29.2 R31.2 806,978 919,978 v1@930,989 ; J3.2 867.98,1090.98 v1(867.98,1099.98) 867.98,1108.98 883,1124 C38.2
VCC_BANK_345: C21.1 J2.2 U2.C5 U2.C7 U2.C8 | length 601.6
  Top1 w10: v2(496.02,968.66) U2.C8 v2(521.61,968.66) U2.C7 ; U2.C5 v2(598.39,968.66)
  Signal3 w10: v2(598.39,968.66) 617.34,968.66 655,931 821.2,931 839,948.8 839,1007 v1(869,1037) 868.04,1037.96 868.04,1041.49 868,1041.54 868,1051 v1(874,1057)
  Gnd2 w10: v2(521.61,968.66) 547.34,968.66 568.72,947.28 577.01,947.28 v2(598.39,968.66) ; v1(869,1037) 869.18,1037.18 869.18,1050.82 874,1055.65 v1(874,1057)
  Bottom4 w10: v2(496.02,968.66) v2(521.61,968.66)
VIN: C3.2 D3.2 J4.19 J4.20 J4.21 U1.7 U1.8 U1.9 U1.10 U1.16 U1.18 U1.19 U3.1 U3.3 | length 2741.9
  Top1 w10: v1(1355,1230) v1(1325,1260) 1325,1235.11 1323.5,1233.62 v1(1323.5,1232.26) 1323.5,1054.5 v1(1333,1045) ; v1(1361,1045) v1(1333,1045) ; v1(1419.06,812.6) 1383.4,812.6 1362.14,833.86 1362.14,869.14 ; v1(1419.06,887.4) 1380.4,887.4 1362.14,869.14 ; v1(1333,1045) 1318,1030 1318,977 1362.14,932.86 1362.14,869.14
  Signal3 w10: v1(1419.06,812.6) 1383.4,812.6 1361,835 1361,867 ; v1(1419.06,887.4) 1381.4,887.4 1361,867 ; v1(1039,875) 1023.96,859.96 1023.96,853.96 v1(1023,853) 1013,863 v1(1013,875) v1(1039,875) ; v1(1039,875) 1111,875 1169,933 1169,983 1277,1091 1303,1091 1320,1074 ; 1320,1074 1323.5,1077.5 v1(1323.5,1232.26) ; 1320,1074 1320,1058 v1(1333,1045) v1(1361,1045) 1361,867 ; v1(1323.5,1232.26) 1324.86,1232.26 1327.12,1230 v1(1355,1230) v1(1325,1260) 1325,1258.65 1323.5,1257.15 v1(1323.5,1232.26)
  Bottom4 w10: D3.2 1245,1440 1325,1360 v1(1325,1260) ; U1.10 1323.5,1054.5 v1(1333,1045) ; U1.16 v1(1323.5,1232.26) 1323.5,1258.5 v1(1325,1260) ; U1.9 1339.25,1052.61 1333,1046.35 v1(1333,1045) ; U1.8 1355,1052.35 1361,1046.35 v1(1361,1045) ; U1.18 v1(1355,1230) ; U1.19@1368.23,1216.77 v1(1355,1230) ; U1.7 1370.75,1054.75 v1(1361,1045) ; U1.19 U1.19@1370.75,1216.5 ; J4.20 1007.62,881.73 1013,876.35 v1(1013,875) ; J4.20 J4.21 1027.31,886.69 v1(1039,875) ; J4.20 J4.19 987.94,900.06 v1(1013,875) ; v1(1013,875) 1013,863 v1(1023,853) 1023.96,853.96 1023.96,859.96 v1(1039,875) ; v1(1013,875) v1(1039,875) ; v1(1325,1260) v1(1355,1230) ; v1(1333,1045) v1(1361,1045)
VUSB: D3.1 R13.1 U5.6 USB1.A4 USB1.A9 USB1.B4 USB1.B9 | length 895.4
  Top1 w10: R13.1 1143,1320 1165,1298 1165,1249 1183.92,1230.08 ; U5.6 1157.37,1149.37 1174,1166 1174,1220.16 1183.92,1230.08 ; USB1.A4 1225.6,1030.2 1255.2,1030.2 1266.1,1041.1 ; USB1.B9 1266.1,1041.1 ; USB1.B4 1262.73,1218.27 ; 1183.92,1230.08 USB1.A9 1225.6,1229.17 v1(1238.71,1229.17) 1251.83,1229.17 1262.73,1218.27 ; 1262.73,1218.27 v1(1276.37,1204.63) 1290,1191 v1(1290,1065) 1266.1,1041.1
  Bottom4 w10: D3.1 1205,1312.66 1205,1240.17 v1(1216,1229.17) v1(1238.71,1229.17) 1251.83,1229.17 v1(1276.37,1204.63) ; v1(1272,1048) 1273,1048 v1(1290,1065)
pads on no net: 1.1 1.2 1.9 J4. J5. J5.1 J5.23 J5.24 TF1. TF1.1 TF1.8 U5.1 U5.2 U5.10 U5.11 U5.12 U5.13 U5.14 U5.15 U5.16 U5.17 U5.18 U5.19 U5.20 U5.21 U5.22 U5.23 U5.27 U7.2 USB1.0 USB1.A5 USB1.A8 USB1.B5 USB1.B8

## Polygon pours and split planes (outlines as drawn)
GND on Top1 "Top1-No Net" (solid, remove dead copper, pour order 2): 100,1800 1600,1800 1600,500 100,500
GND on Gnd2 "Top1-No Net" (solid, remove dead copper, pour order 4): 100,1800 1600,1800 1600,500 100,500
GND on Signal3 "Top1-No Net" (solid, remove dead copper, pour order 6): 100,1800 1600,1800 1600,500 100,500
GND on Bottom4 "Top1-No Net" (solid, remove dead copper, pour order 8): 100,1800 1600,1800 1600,500 100,500

## Keep-outs
Keep-Out Layer:
  the board outline again, w0.5

## Silkscreen, mask and mechanical layers (free items; w line width, h text height)
Top Overlay:
  text "MIC" at 350,1466.57 h80
  text "A-Eye" at 1302,1396.5 h70
  text "LCD" at 238,1376 h80
  text "K210" at 608,835 h60
  text "Inside" at 608,800 h50
Bottom Overlay:
  lines w5: 847,1121 847,1202
  text "CAMERA" at 639,1466 h80
  text "RESET" at 428,1418 h80 r90
  text "1V8" at 840,1201 h60 r90
  text "3V3" at 888,1200 h60 r90
  text "IO" at 506.32,909.04 h80 r90
Top Solder:
  drawing of 514 lines, arcs and shapes, not listed
  text "Pwr" at 1080.16,1634 h35
  text "Usr" at 1164.8,1634 h35
  text "By  P.ZH" at 1313,1454 h40